# Altium PCB BK1096.PcbDoc (part 2 of 2) (continued)
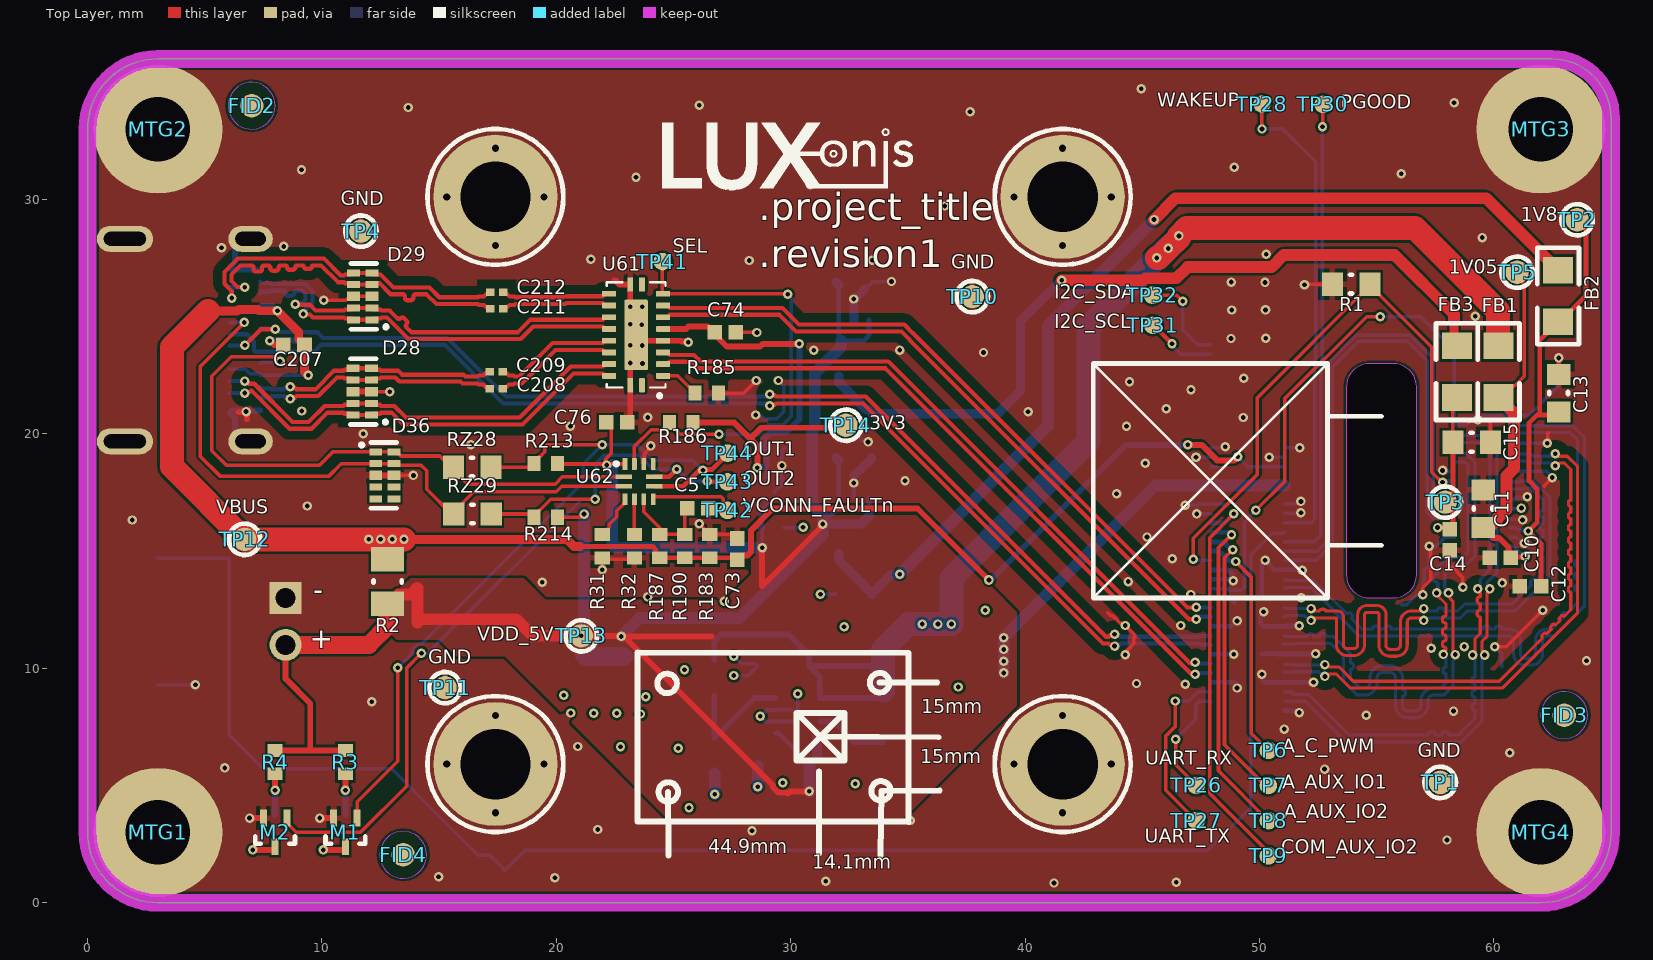
[diagram p0: Top Layer view]
## Nets (pads, with @x,y where several pads share a name; then routed paths per layer and width w, separated by ;. In a path a pad name is that pad's centre, name@x,y a point inside that pad or via, vN(x,y) a via of type N, cw(c..) or ccw(c..) an arc to the next point about the centre after c; other vN are vias at no path point) (continued)
MIPI_RX5_D1_N: J1.27 J2.2 | length 26.7
  Bottom Layer w0.131: J1.27@51.065,13.4 51.11,13.445 51.444,13.445 51.451,13.452 52.179,13.452 54.258,11.373 60.662,11.373 cw(c60.662,11.194) 60.841,11.194 60.841,10.608 ccw(c61.317,10.608) 61.317,10.133 61.597,10.133 ccw(c61.597,10.608) 62.072,10.608 62.072,11.194 cw(c62.251,11.194) 62.251,11.373 62.573,11.373 63.869,12.669 63.869,19.85 63.371,20.348 61.395,20.348 61.388,20.355 60.954,20.355
  Bottom Layer w0.152: J2.2@60.7,20.4 60.734,20.366 60.943,20.366 60.954,20.355
MIPI_RX5_D1_P: J1.29 J2.3 | length 27
  Bottom Layer w0.131: J1.29@51.065,13.8 51.11,13.755 51.444,13.755 51.451,13.748 52.302,13.748 53.536,12.514 53.548,12.502 53.708,12.342 ccw(c53.733,12.367) 53.758,12.342 cw(c53.823,12.277) 53.888,12.342 53.943,12.286 cw(c53.878,12.222) 53.943,12.157 ccw(c53.968,12.132) 53.943,12.107 54.103,11.947 54.288,11.762 54.381,11.669 54.567,11.669 54.794,11.669 ccw(c54.794,11.705) 54.829,11.705 cw(c54.921,11.705) 54.921,11.796 54.999,11.796 cw(c54.999,11.705) 55.091,11.705 ccw(c55.126,11.705) 55.126,11.669 55.317,11.669 ccw(c55.317,11.705) 55.352,11.705 cw(c55.444,11.705) 55.444,11.796 55.522,11.796 cw(c55.522,11.705) 55.614,11.705 ccw(c55.649,11.705) 55.649,11.669 55.875,11.669 56.006,11.669 59.415,11.669 59.51,11.669 ccw(c59.51,11.705) 59.546,11.705 cw(c59.637,11.705) 59.637,11.796 59.716,11.796 cw(c59.716,11.705) 59.807,11.705 ccw(c59.843,11.705) 59.843,11.669 60.034,11.669 ccw(c60.034,11.705) 60.069,11.705 cw(c60.161,11.705) 60.161,11.796 60.239,11.796 cw(c60.239,11.705) 60.331,11.705 ccw(c60.366,11.705) 60.366,11.669 60.592,11.669 60.662,11.669 cw(c60.662,11.194) 61.137,11.194 61.137,10.608 ccw(c61.317,10.608) 61.317,10.429 61.597,10.429 ccw(c61.597,10.608) 61.776,10.608 61.776,11.194 cw(c62.251,11.194) 62.251,11.669 62.444,11.669 62.811,12.037 62.9,12.126 ccw(c62.875,12.151) 62.9,12.176 cw(c62.965,12.241) 62.9,12.306 62.956,12.361 cw(c63.021,12.296) 63.085,12.361 ccw(c63.111,12.386) 63.136,12.361 63.296,12.521 63.481,12.706 63.573,12.799 63.573,13.042 63.573,13.268 ccw(c63.538,13.268) 63.538,13.303 cw(c63.538,13.395) 63.446,13.395 63.446,13.473 cw(c63.538,13.473) 63.538,13.565 ccw(c63.538,13.6) 63.573,13.6 63.573,13.791 ccw(c63.538,13.791) 63.538,13.827 cw(c63.538,13.918) 63.446,13.918 63.446,13.997 cw(c63.538,13.997) 63.538,14.088 ccw(c63.538,14.124) 63.573,14.124 63.573,14.314 ccw(c63.538,14.314) 63.538,14.35 cw(c63.538,14.441) 63.446,14.441 63.446,14.52 cw(c63.538,14.52) 63.538,14.611 ccw(c63.538,14.647) 63.573,14.647 63.573,14.873 63.573,15.004 63.573,19.727 63.248,20.052 61.395,20.052 61.388,20.045 60.954,20.045
  Bottom Layer w0.152: J2.3@60.7,20 60.734,20.034 60.943,20.034 60.954,20.045
NetC7_1: C7.1 FB2.1 U3.5 | length 42.4
  Top Layer w0.5: v1(45.499,29.142) 46.406,30.048 59.672,30.048 62.353,27.368 62.353,27.304 62.674,26.983 FB2.1@62.738,26.983
  Bottom Layer w0.4: U3.5@32.041,14.882 32.041,14.632 33.043,13.63 33.043,13.596 C7.1@33.453,13.186 ; C7.1@33.453,13.156 C7.1@33.453,13.186 ; v1(34.646,14.015) 34.627,13.996 34.263,13.996 C7.1@33.453,13.186
  Bottom Layer w0.5: v1(34.646,14.015) 40.97,20.339 40.97,24.613 v1(45.499,29.142)
NetC9_1: C9.1 FB3.1 U4.5 | length 33.8
  Top Layer w0.381: FB3.1@58.295,23.882 58.295,24.805
  Top Layer w0.4: FB3.1@58.295,23.882 FB3.1@58.42,23.757
  Top Layer w0.5: v1(41.557,26.559) 45.045,26.559 45.128,26.642 46.454,26.642 46.931,27.119 50.518,27.119 51.035,27.635 55.753,27.635 58.295,25.093 58.295,24.805
  Bottom Layer w0.4: U4.5@32.041,22.462 32.041,22.212 33.211,21.042 C9.1@33.303,21.042 ; C9.1@33.453,20.862 38.82,20.862 39.802,21.844 39.802,24.804 v1(41.557,26.559)
NetD1_1: D1.1 M1.3 | length 2
  Top Layer w0.25: v1(10.05,2.25) 10.975,2.25 11,2.275 M1.3@11,2.39
  Bottom Layer w0.25: v1(10.05,2.25) D1.1@11,2.25
NetD1_2: D1.2 R3.1 | length 1.8
  Top Layer w0.254: v1(11,4.8) R3.1@11,5.5
  Bottom Layer w0.254: D1.2@11,3.75 v1(11,4.8)
NetD2_1: D2.1 M2.3 | length 2
  Top Layer w0.25: v1(7.05,2.25) 7.975,2.25 8,2.275 M2.3@8,2.39
  Bottom Layer w0.25: v1(7.05,2.25) D2.1@8,2.25
NetD2_2: D2.2 R4.1 | length 1.8
  Top Layer w0.254: v1(8,4.8) R4.1@8,5.5
  Bottom Layer w0.254: D2.2@8,3.75 v1(8,4.8)
NetL1_2: L1.2 U5.7 | length 3
  Bottom Layer w0.25: U5.7@31.256,7.73 31.849,7.73 32.734,6.845 L1.2@33.934,6.845
NetR5_1: R5.1 R6.1 U5.4 | length 5.1
  Bottom Layer w0.25: R5.1@26.739,8.828 R6.1@26.739,7.049 26.769,7.049 28.449,8.73 U5.4@29.356,8.73
NetR185_1: R185.1 U61.2 | length 1.6
  Top Layer w0.152: U61.2@24.555,22.476 25.18,22.476 25.863,21.793 R185.1@25.863,21.743
NetR186_1: R186.1 TP41.1 U61.9 U62.11 | length 20.5
  Top Layer w0.15: U62.11@23.33,18.716 23.33,19.46 24.051,20.181 24.525,20.181 R186.1@24.775,20.431 ; R186.1@24.825,20.481 24.825,20.431 25.278,19.978 25.447,19.978
  Top Layer w0.152: TP41.1@24.52,27.351 24.52,26.011 U61.9@24.555,25.976 29.853,25.976 v3(29.875,25.954) ; R186.1@24.775,20.431 R186.1@24.895,20.311 ; 25.447,19.978 26.937,19.978 v3(26.94,19.982)
  Bottom Layer w0.152: v3(26.94,19.982) 28.628,19.982 29.027,20.381 29.656,20.381 30.025,20.75 30.025,23.652 29.991,23.686 29.991,23.999 30.025,24.033 30.025,25.804 v3(29.875,25.954)
NetTP42_1: TP42.1 U62.6 | length 3.7
  Top Layer w0.15: U62.6@24.13,17.216 24.13,17.299 24.155,17.324 27.026,17.324 27.114,17.236 27.114,17.084 27.3,16.899 TP42.1@27.3,16.736
OUT1: M1.1 R213.1 RZ28.2 TP44.1 U62.7 | length 34
  Top Layer w0.152: M1.1@11.5,3.61 11.503,3.613 11.503,4.303 13.233,6.033 v1(13.233,10.021) v1@13.233,10.172 ; RZ28.2@17.303,18.582 18.853,18.582 19.003,18.732 19.003,18.782 19.252,19.03 19.302,19.03 19.504,19.232 19.504,19.446 19.593,19.535 v1(21.955,19.535)
  Top Layer w0.2: U62.7@24.18,17.766 25.414,17.766 v1@26.139,18.491 ; v1(26.253,18.444) 26.292,18.483 26.646,18.483 TP44.1@27.343,19.181
  Bottom Layer w0.152: v1(13.233,10.021) 13.862,10.65 13.862,10.801 14.085,11.024 14.236,11.024 21.15,17.938 21.15,18.73 v1(21.955,19.535) 23.437,19.535 24.1,18.872 25.825,18.872 26.17,18.527 26.17,18.522 v1@26.139,18.491
OUT2: M2.1 R214.1 RZ29.2 TP43.1 U62.8 | length 36
  Top Layer w0.152: M2.1@8.5,3.61 8.5,3.405 8.905,3 11.646,3 13.614,4.968 13.614,10.014 v1(14.243,10.643) ; RZ29.2@17.323,16.582 18.857,16.582 18.994,16.445 18.994,16.495 19.243,16.744 19.293,16.744 19.765,17.216 v1(21.65,17.216)
  Top Layer w0.2: U62.8@24.18,18.166 24.813,18.166 v1(25.138,18.491) ; v3(26.441,17.975) 26.453,17.963 27.302,17.963 TP43.1@27.309,17.955
  Bottom Layer w0.152: v1(14.243,10.643) 14.504,10.643 21.077,17.216 v1(21.65,17.216) 21.65,18.709 22.038,19.097 23.516,19.097 24.122,18.491 v1(25.138,18.491)
  Bottom Layer w0.2: v1(25.138,18.491) 25.653,17.975 v3(26.441,17.975)
PGOOD: J1.37 TP30.1 | length 20.1
  Top Layer w0.15: v3(52.688,33.1) 52.696,33.108 52.696,34.053 TP30.1@52.705,34.061
  Bottom Layer w0.15: J1.37@51.054,15.4 J1.37@51.065,15.4 52.332,15.4 52.608,15.676 52.608,23.057 52.648,23.096 52.648,23.184 52.68,23.216 52.68,33.09 52.688,33.082 v3(52.688,33.1)
RXB_N: D28.2 D28.9 J14.B10 U61.18 | length 18.4
  Top Layer w0.178: v1(6.709,22.251) 6.771,22.251 6.883,22.139 7.111,22.139 8.74,20.51 9.432,20.51 10.119,21.197 10.92,21.197 10.963,21.24 11.265,21.24 D28.9@11.326,21.301 D28.2@12.106,21.301 12.167,21.24 12.47,21.24 12.513,21.197 13.084,21.197 13.584,20.697 18.438,20.697 20.613,22.872 21.976,22.872 22.08,22.976 U61.18@22.255,22.976
  Bottom Layer w0.178: J14.B10@6.064,22.251 v1(6.709,22.251)
RXB_P: D28.1 D28.10 J14.B11 U61.19 | length 18.4
  Top Layer w0.178: v1(6.703,21.743) 6.747,21.787 6.909,21.787 6.97,21.847 6.99,21.847 8.619,20.219 9.553,20.219 10.239,20.905 10.92,20.905 10.963,20.862 11.265,20.862 D28.10@11.326,20.801 D28.1@12.106,20.801 12.167,20.862 12.47,20.862 12.513,20.905 12.963,20.905 13.463,20.406 18.559,20.406 20.734,22.58 21.976,22.58 22.08,22.476 U61.19@22.255,22.476
  Bottom Layer w0.178: J14.B11@6.064,21.751 6.068,21.747 6.699,21.747 v1(6.703,21.743)
RXC_N: D29.2 D29.9 J14.A10 U61.14 | length 17.5
  Top Layer w0.178: v1(8.858,25.528) 8.876,25.509 9.485,25.509 9.731,25.264 10.945,25.264 10.988,25.307 11.291,25.307 D29.9@11.352,25.368 D29.2@12.132,25.368 12.193,25.307 12.495,25.307 12.538,25.264 12.889,25.264 13.16,24.993 13.218,24.936 ccw(c13.286,25.004) 13.354,24.936 cw(c13.43,24.86) 13.505,24.936 13.606,24.835 cw(c13.53,24.76) 13.606,24.684 ccw(c13.674,24.616) 13.606,24.548 13.789,24.364 13.814,24.34 14.146,24.34 18.36,24.34 18.892,24.872 21.976,24.872 22.08,24.976 U61.14@22.255,24.976
  Bottom Layer w0.178: J14.A10@7.364,26 7.425,26.062 7.802,26.062 7.845,26.106 7.924,26.106 8.101,26.106 8.35,26.106 cw(c8.35,25.999) 8.457,25.999 ccw(c8.564,25.999) 8.564,25.892 8.706,25.892 ccw(c8.706,25.999) 8.813,25.999 cw(c8.919,25.999) 8.919,26.106 9.166,26.106 9.303,25.968 9.303,25.726 9.149,25.572 8.901,25.572 v1(8.858,25.528)
RXC_P: D29.1 D29.10 J14.A11 U61.15 | length 17.3
  Top Layer w0.178: v1(9.2,25.116) 9.221,25.095 9.487,25.095 9.61,24.972 10.945,24.972 10.988,24.929 11.291,24.929 D29.10@11.352,24.868 D29.1@12.132,24.868 ; D29.1@12.193,24.929 12.495,24.929 12.538,24.972 12.769,24.972 13.693,24.048 18.481,24.048 19.013,24.58 21.976,24.58 22.08,24.476 U61.15@22.255,24.476
  Bottom Layer w0.178: J14.A11@7.364,26.501 7.425,26.44 7.802,26.44 7.845,26.397 9.286,26.397 9.594,26.089 9.594,25.605 9.328,25.338 9.328,25.305 9.2,25.178 v1(9.2,25.116)
SYS_RST: B1.1 J1.39 TP29.1 | length 70.3
  Bottom Layer w0.15: B1.1@3,14.7 6.045,14.7 6.045,7.163 7.493,5.715 12.985,5.715 16.675,2.025 17.166,2.025 17.75,1.441 17.75,1.414 TP29.1@17.798,1.366 18.668,2.235 47.797,2.235 49.617,4.055 49.617,14.839 50.543,15.765 51.03,15.765 J1.39@51.065,15.8
TXB1_N: C209.1 U61.16 | length 5.2
  Top Layer w0.178: C209.1@17.809,22.656 17.981,22.485 18.178,22.485 18.221,22.442 18.404,22.442 19.834,23.872 21.976,23.872 22.08,23.976 U61.16@22.255,23.976
TXB1_P: C208.1 U61.17 | length 5.2
  Top Layer w0.178: C208.1@17.809,21.936 17.981,22.107 18.178,22.107 18.221,22.151 18.525,22.151 19.955,23.58 21.976,23.58 22.08,23.476 U61.17@22.255,23.476
TXB_N: C209.2 D28.5 D28.6 J14.A3 | length 10.4
  Top Layer w0.178: v1(8.645,22.01) 8.689,21.966 8.845,21.966 8.91,21.901 9.719,21.901 10.515,22.697 10.92,22.697 10.963,22.74 11.265,22.74 D28.6@11.326,22.801 D28.5@12.106,22.801 12.167,22.74 12.47,22.74 12.513,22.697 13.249,22.697 13.419,22.527 16.037,22.527 16.122,22.442 16.638,22.442 16.681,22.485 16.878,22.485 C209.2@17.049,22.656
  Bottom Layer w0.178: J14.A3@7.364,22 7.425,21.94 7.802,21.94 7.845,21.897 8.029,21.897 8.033,21.901 8.38,21.901 8.445,21.966 8.601,21.966 v1(8.645,22.01)
TXB_P: C208.2 D28.4 D28.7 J14.A2 | length 10.4
  Top Layer w0.178: v1(8.645,21.502) 8.689,21.545 8.845,21.545 8.91,21.61 9.84,21.61 10.635,22.405 10.92,22.405 10.963,22.362 11.265,22.362 D28.7@11.326,22.301 D28.4@12.106,22.301 12.167,22.362 12.47,22.362 12.513,22.405 13.128,22.405 13.298,22.235 15.917,22.235 16.002,22.151 16.638,22.151 16.681,22.107 16.878,22.107 C208.2@17.049,21.936
  Bottom Layer w0.178: J14.A2@7.364,21.5 7.425,21.562 7.802,21.562 7.845,21.606 8.15,21.606 8.154,21.61 8.38,21.61 8.445,21.545 8.601,21.545 v1(8.645,21.502)
TXC1_N: C212.1 U61.12 | length 4.6
  Top Layer w0.178: C212.1@17.838,26.033 18.009,25.862 18.226,25.862 18.259,25.829 20.261,25.829 20.304,25.872 21.976,25.872 22.08,25.976 U61.12@22.255,25.976
TXC1_P: C211.1 U61.13 | length 4.6
  Top Layer w0.178: C211.1@17.838,25.333 18.009,25.504 18.226,25.504 18.259,25.537 20.381,25.537 20.424,25.58 21.976,25.58 22.08,25.476 U61.13@22.255,25.476
TXC_N: C212.2 D29.5 D29.6 J14.B3 | length 13.6
  Top Layer w0.178: v1(6.15,25.795) 6.148,25.797 6.148,26.102 5.844,26.407 5.844,26.913 6.41,27.48 10.085,27.48 10.801,26.764 10.945,26.764 10.988,26.807 11.291,26.807 D29.6@11.352,26.868 D29.5@12.132,26.868 12.193,26.807 12.495,26.807 13.055,26.247 14.586,26.247 15.004,25.829 16.656,25.829 16.689,25.862 16.907,25.862 C212.2@17.078,26.033
TXC_P: C211.2 D29.4 D29.7 J14.B2 | length 14.8
  Top Layer w0.178: v1(6.709,26.259) 6.707,26.261 6.402,26.261 6.135,26.528 6.135,26.793 6.53,27.188 6.552,27.188 6.73,27.188 6.979,27.188 cw(c6.979,27.082) 7.086,27.082 7.086,27.03 ccw(c7.192,27.03) 7.192,26.924 7.334,26.924 ccw(c7.334,27.03) 7.441,27.03 7.441,27.082 cw(c7.548,27.082) 7.548,27.188 7.69,27.188 cw(c7.69,27.082) 7.797,27.082 7.797,27.07 ccw(c7.903,27.07) 7.903,26.964 8.046,26.964 ccw(c8.046,27.07) 8.152,27.07 8.152,27.082 cw(c8.259,27.082) 8.259,27.188 8.43,27.188 cw(c8.43,27.11) 8.508,27.11 ccw(c8.615,27.11) 8.615,27.003 8.757,27.003 ccw(c8.757,27.11) 8.864,27.11 cw(c8.942,27.11) 8.942,27.188 9.181,27.188 cw(c9.181,27.15) 9.219,27.15 ccw(c9.326,27.15) 9.326,27.043 9.468,27.043 ccw(c9.468,27.15) 9.575,27.15 cw(c9.613,27.15) 9.613,27.188 9.795,27.188 9.965,27.188 10.681,26.472 10.945,26.472 10.988,26.429 11.291,26.429 D29.7@11.352,26.368 D29.4@12.132,26.368 12.193,26.429 12.461,26.429 12.935,25.955 13.288,25.955 13.437,25.955 cw(c13.437,25.849) 13.543,25.849 13.543,25.808 ccw(c13.65,25.808) 13.65,25.701 13.792,25.701 ccw(c13.792,25.808) 13.899,25.808 13.899,25.849 cw(c14.006,25.849) 14.006,25.955 14.077,25.955 14.465,25.955 14.883,25.537 16.656,25.537 16.689,25.504 16.907,25.504 C211.2@17.078,25.333
  Bottom Layer w0.178: J14.B2@6.064,26.25 6.068,26.255 6.705,26.255 v1(6.709,26.259)
UART_RX: J1.4 TP26.1 | length 4.9
  Top Layer w0.15: v3(46.418,6.973) 46.418,5.882 TP26.1@47.3,5
  Bottom Layer w0.15: v3(46.418,6.973) 47.271,7.826 47.271,8.431 47.432,8.592 47.916,8.592 J1.4@47.924,8.6
UART_TX: J1.6 TP27.1 | length 7.5
  Top Layer w0.15: v3(46.406,8.605) 46.406,7.517 46,7.111 46,4.8 TP27.1@47.3,3.5
  Bottom Layer w0.15: v3(46.406,8.605) 46.98,8.605 47.376,9 J1.6@47.924,9
USB_CM: R31.1 U62.3 | length 1.9
  Top Layer w0.15: R31.1@21.955,15.761 22.005,15.761 22.255,16.011 22.255,16.139 22.58,16.464 22.58,16.716 22.93,17.066 U62.3@22.93,17.216
USB_D_N: D27.1 J1.18 J14.A7 J14.B7 | length 48.9
  Top Layer w0.178: v1(6.714,23.782) 7.398,24.466 v1(8.006,24.466) ; v3(29.105,21.698) 29.147,21.655 29.306,21.655 29.369,21.592 33.201,21.592 43.448,11.346 43.55,11.346 43.615,11.41 43.771,11.41 v1(43.815,11.454)
  Bottom Layer w0.178: J14.B7@6.064,23.75 6.079,23.767 6.698,23.767 v1(6.714,23.782) ; J14.A7@7.364,24.5 7.381,24.483 7.998,24.483 v1@8.006,24.476 ; v1(8.006,24.466) 8.068,24.466 8.182,24.351 D27.1@9.814,24.351 ; 9.397,24.331 D27.1@9.814,24.331 ; D27.1@9.83,24.331 D27.1@9.814,24.331 ; v3(29.105,21.698) 29,21.592 24.405,21.592 24.404,21.591 17.85,21.591 15.345,24.097 10.048,24.097 D27.1@9.814,24.331 ; v1(43.815,11.454) 43.859,11.41 44.015,11.41 44.08,11.346 47.418,11.346 47.452,11.379 47.914,11.379 J1.18@47.935,11.4
USB_D_P: D27.2 J1.16 J14.A6 J14.B6 | length 48
  Top Layer w0.178: v3(29.105,21.196) 29.147,21.238 29.306,21.238 29.369,21.301 33.08,21.301 43.327,11.054 43.55,11.054 43.615,10.99 43.771,10.99 v1(43.815,10.946)
  Bottom Layer w0.178: J14.B6@6.064,24.25 6.802,24.251 7.108,23.945 7.108,23.562 7.169,23.501 9.664,23.501 D27.2@9.814,23.651 9.968,23.805 11.951,23.805 15.224,23.805 17.73,21.3 24.525,21.3 24.526,21.301 29,21.301 v3(29.105,21.196) ; v1(43.815,10.946) 43.859,10.99 44.015,10.99 44.08,11.054 47.418,11.054 47.452,11.021 47.914,11.021 J1.16@47.935,11
USB_PORT: R32.1 U62.4 | length 1.5
  Top Layer w0.15: R32.1@23.33,15.761 U62.4@23.33,17.216
USB_RX_N: J1.12 U61.4 | length 28.9
  Top Layer w0.178: U61.4@24.555,23.476 24.73,23.476 24.834,23.372 25.879,23.372 26.162,23.089 34.163,23.089 47.045,10.206 47.05,10.21 47.206,10.21 v1(47.25,10.254)
  Bottom Layer w0.178: v1(47.25,10.254) 47.304,10.2 J1.12@47.935,10.2
USB_RX_P: J1.10 U61.3 | length 29
  Top Layer w0.178: U61.3@24.555,22.976 24.73,22.976 24.834,23.08 25.758,23.08 26.041,22.797 34.042,22.797 47.05,9.79 47.206,9.79 v1(47.25,9.746)
  Bottom Layer w0.178: v1(47.25,9.746) 47.304,9.8 J1.10@47.935,9.8
USB_TX_N: J1.24 U61.8 | length 28.7
  Top Layer w0.178: U61.8@24.555,25.476 24.73,25.476 24.834,25.372 29.643,25.372 30.351,24.663 34.841,24.663 35.214,24.291 35.227,24.291 46.918,12.6 v1(47.3,12.6)
  Bottom Layer w0.178: v1(47.3,12.6) J1.24@47.935,12.6
USB_TX_P: J1.22 U61.7 | length 28.9
  Top Layer w0.178: U61.7@24.555,24.976 24.73,24.976 24.834,25.08 29.522,25.08 30.231,24.372 34.72,24.372 35.093,23.999 35.093,23.986 46.986,12.092 v1(47.3,12.092)
  Bottom Layer w0.178: v1(47.3,12.092) 47.408,12.2 J1.22@47.935,12.2
V_DCDC: C17.1 FB1.1 L1.1 R5.2 U5.5 | length 57.2
  Top Layer w1.016: v1(45.618,27.508) 45.695,27.508 v1(46.101,27.915) 46.596,28.41 v1(46.558,28.448) 46.892,28.782 56.639,28.782 60.175,25.246 60.175,23.78 FB1.1@60.198,23.757
  Bottom Layer w0.25: R5.2@26.739,10.352 26.739,11.155 27.021,11.437 29.914,11.437 30.791,10.56 C17.1@30.791,10.091 ; L1.1@33.934,9.045 33.619,8.73 U5.5@31.256,8.73 31.238,8.73 31.238,9.645 C17.1@30.791,10.091 ; 33.934,10.182 33.842,10.091 C17.1@30.791,10.091
  Bottom Layer w1.016: L1.1@33.934,9.045 33.934,10.182 33.934,10.794 35.027,11.887 v1(35.608,11.887) v1(36.278,11.887) v1(36.855,11.887) 36.855,13.843 42.7,19.688 42.7,24.59 v1(45.618,27.508) 46.025,27.915 v1(46.101,27.915) 46.558,28.372 v1(46.558,28.448)
VBUS: C73.2 C207.2 J1.53 J14.A4 J14.A9 J14.B4 J14.B9 R2.2 R183.2 R187.2 R190.2 TP12.1 | length 75.2
  Top Layer w0.203: 21,15.2 24.103,15.2 24.239,15.064 24.239,14.885 R187.2@24.409,14.715 24.416,14.708 24.423,14.715 R190.2@25.476,14.715 R183.2@26.543,14.715 27.634,14.715 C73.2@27.711,14.638
  Top Layer w0.254: C73.2@27.711,14.638 27.894,14.821 28.163,14.821 28.311,14.969 28.311,15.888 29.239,16.816 35.406,16.816 v1(38.456,13.767) ; v1(46.939,19.533) 47.529,19.533 48.189,18.873 48.921,18.873 v3(49.073,19.025)
  Top Layer w0.381: 5.136,25.236 6.381,25.236 6.458,25.313 7.249,25.313 7.31,25.252 v1(8.102,25.252) 9.009,24.345 9.009,24.046 C207.2@9.255,23.8 9.255,22.657 v1(9.411,22.501) ; v3(13.5,15.5) 20.441,15.5 20.741,15.2 21,15.2
  Top Layer w1.016: 5.136,25.236 3.6,23.7 3.6,18.6 TP12.1@6.7,15.5 v3(12,15.5) v3(12.5,15.5) v3(13,15.5) v3(13.5,15.5) ; R2.2@12.8,14.65 12.975,14.65 12.992,14.667 v3@12.992,15.492
  Bottom Layer w0.15: v3(49.073,19.025) 49.497,18.6 J1.53@51.065,18.6
  Bottom Layer w0.152: J14.B9@6.064,22.75 6.748,22.751 6.924,22.575 7.29,22.575 J14.A4@7.364,22.5 v1(9.411,22.501) ; J14.B4@6.064,25.251 6.748,25.251 6.924,25.427 7.29,25.427 J14.A9@7.364,25.5 7.896,25.501 8.078,25.319 8.078,25.276 v1(8.102,25.252)
  Bottom Layer w0.254: v1(38.456,13.767) 38.525,13.767 38.637,13.879 38.649,13.879 44.302,19.533 v1(46.939,19.533)
VBUS_DET: C5.2 R187.1 R190.1 U62.5 | length 4.1
  Top Layer w0.15: U62.5@23.73,17.216 23.73,16.673 24.405,15.998 24.405,15.859 R187.1@24.549,15.715 ; R187.1@24.409,15.715 R187.1@24.549,15.715 ; C5.2@25.577,16.838 25.476,16.737 R190.1@25.476,15.715 R187.1@24.549,15.715
VDD_5V: C2.1 C3.1 C4.1 C6.1 C8.1 C16.1 C76.2 J1.47 J1.48 J1.49 J1.50 J1.51 J1.52 J1.54 J3.P2 R2.1 R3.2 R4.2 R213.2 R214.2 TP13.1 U1.3 U1.4 U3.1 U3.3 U4.1 U4.3 U5.1 U5.8 U62.12 | length 121.9
  Top Layer w0.152: R214.2@20.094,16.445 21.046,16.445 v1(21.183,16.582) ; R213.2@20.103,18.732 20.119,18.716 v1@22.102,18.716 ; C76.2@22.083,20.481 22.342,20.221 22.342,20.112 22.343,20.111 22.343,19.166 22.098,18.921 22.098,18.72 v1@22.102,18.716 ; U62.12@22.93,18.716 22.196,18.716 v1(22.149,18.669) v1@22.102,18.716
  Top Layer w0.25: v2(21.067,11.383) 22.74,11.383 v2(22.764,11.359) 26.625,11.359 ; v2@22.922,11.331 29.235,5.018 29.235,4.942 29.485,4.692 29.838,4.692 29.84,4.694 29.886,4.648 29.987,4.75 v1(30.785,4.75) ; v3(28.778,15.138) 28.778,13.513 31.313,16.048 31.313,16.094 31.373,16.154 v1(31.369,16.154)
  Top Layer w0.254: R4.2@8,6.5 9.5,6.5 ; J3.P2@8.45,11 8.45,9.55 9.5,8.5 9.5,6.5 ; R3.2@11,6.5 9.5,6.5
  Top Layer w0.5: R2.1@12.8,12.75 12.975,12.75 13.25,13.025 13.25,13.145 13.779,13.145 14.072,13.438 14.072,11.938 14.224,12.09 18.288,12.09 18.996,11.383 v2(21.067,11.383)
  Top Layer w0.762: J3.P2@8.45,11 12,11 12.8,11.8 R2.1@12.8,12.75
  Bottom Layer w0.15: U1.4@28.964,17.001 28.964,16.769 29.022,16.711 ; J1.54@47.924,18.6 J1.54@47.935,18.6 J1.54@48.189,18.6
  Bottom Layer w0.152: C2.1@28.625,15.989 28.778,16.142 28.778,16.031 C2.1@28.82,15.989 28.778,15.989 v3(28.778,15.138) ; C2.1@28.694,16.115 28.694,16.839 28.802,16.839 U1.4@28.964,17.001 ; 29.022,16.711 29.456,16.711 29.624,16.878 U1.3@29.624,17.001
  Bottom Layer w0.2: U5.1@29.356,7.23 29.481,7.23 30.32,6.392 C16.1@30.32,6.313 ; v1(31.369,16.154) 31.369,16.192 32.041,16.865 U3.1@32.041,17.282 C6.1@32.041,18.864 ; C8.1@32.041,26.369 U4.1@32.041,24.862 32.041,24.095 32.159,23.978 33.107,23.978 33.341,24.212 U4.3@33.341,24.862 ; 33.341,16.501 U3.3@33.341,17.282
  Bottom Layer w0.4: C16.1@31.128,6.178 31.128,7.076 31.256,7.205 U5.8@31.256,7.23 ; v1(31.369,16.154) 32.995,16.154 33.341,16.501 ; C6.1@31.929,18.976 C6.1@32.041,18.864 ; C8.1@31.929,26.481 C8.1@32.041,26.369
  Bottom Layer w0.5: v2(21.067,11.383) 21.183,11.498 v1(21.183,16.582) ; 22.38,18.669 22.38,15.275 22.517,15.138 v3(28.778,15.138) ; v2(22.764,11.359) 23.546,12.141 27.813,12.141 31.391,15.72 31.369,15.742 v1(31.369,16.154) ; v1@31.369,16.192 31.369,16.491 31.391,16.513 30.912,16.993 30.912,20.146 31.026,20.26 31.026,22.593 32.159,23.726 32.159,23.978 ; v1(39.091,9.803) v1(39.091,10.303) v1(39.091,10.803) v1(39.091,11.303) 39.091,11.328 45.562,17.8 J1.50@47.935,17.8 J1.49@51.065,17.8
  Bottom Layer w0.508: v1@30.791,4.75 C16.1@30.791,5.841
  Bottom Layer w0.8: C3.1@21.2,10.575 C3.1@21.25,10.525 21.268,10.508 22.846,10.508 C4.1@22.863,10.491
WAKEUP: J1.41 TP28.1 | length 20.6
  Top Layer w0.15: v3(50.103,33.01) TP28.1@50.103,34.073
  Bottom Layer w0.15: v3(50.103,33.01) 50.988,33.01 52.393,31.605 52.393,23.197 52.357,23.161 52.357,16.363 52.193,16.2 J1.41@51.065,16.2 J1.41@51.054,16.2
pads on no net: D36.4 D36.5 D36.6 D36.7 FID1.1 FID2.1 FID3.1 FID4.1 FID5.1 FID6.1 J1.59 J1.60 J1.61 J1.62 J1.63 J1.64 J1.65 J1.66 J1.67 J1.68 J1.73 J1.74 J1.83 J1.84 J1.85 J1.86 J1.89 J1.90 J1.91 J1.92 J1.95 J1.96 J1.97 J1.98 J2.16 J2.21 J2.22 J14.A8 J14.B8 U3.4 U4.4 U5.6 U61.1 U61.10 U62.9
copper on no net: | length 0.1
  Top Layer w0.15: 13.073,17.729 13.198,17.729

## Polygon pours and split planes (outlines as drawn)
GND on Bottom Layer "GND_L04_P097" (solid, remove dead copper, pour order 97): 0,3 ccw(c3,3) 3,0 62,0 ccw(c62,3) 65,3 65,33.46 ccw(c62.46,33.46) 62.46,36 3,36 ccw(c3,33) 0,33
VDD_5V on Bottom Layer "VDD_5V_L04_P095" (solid, remove dead copper, pour order 95): 51.44,18.31 51.44,17.29 47.313,17.29 39.497,9.474 38.633,9.474 38.303,9.804 38.303,12.471 44.542,18.71 50.29,18.71 50.69,18.31
VDD_5V on Bottom Layer "VDD_5V_L04_P096" (solid, remove dead copper, pour order 96): 22.074,19.248 20.572,17.746 20.572,9.776 25.448,9.776 31.106,15.434 28.194,15.434 24.38,19.248
VDD_5V on Bottom Layer "VDD_5V_L04_P093" (solid, pour order 93): 20.561,11.783 23.353,11.783 24.107,11.029 24.107,9.886 20.572,9.886 20.561,9.875
NetL1_2 on Bottom Layer "NETL1_2_L04_P092" (solid, pour order 92): 31.256,7.855 33.85,7.862 34.393,7.319 34.393,6.845 32.266,6.845 31.506,7.605
V_DCDC on Bottom Layer "V_DCDC_L04_P094" (solid, pour order 94): 30.981,10.726 34.475,10.703 35.634,9.545 35.634,8.545 31.066,8.545 30.981,8.63
GND on Top Layer "GND_L01_P089" (solid, remove dead copper, pour order 89): 0,3 ccw(c3,3) 3,0 62,0 ccw(c62,3) 65,3 65,33.46 ccw(c62.46,33.46) 62.46,36 3,36 ccw(c3,33) 0,33
VDD_5V on Top Layer "VDD_5V_L01_P088" (solid, remove dead copper, pour order 88): 13.143,13.275 12.983,11.426 13.183,11.227 15.011,11.227 15.723,10.516 17.805,10.516 24.857,3.464 34.706,3.464 39.649,8.407 39.649,12.395 35.512,16.533 28.311,16.533 28.311,14.011 27.229,12.929 19.533,12.929 18.618,13.843 13.783,13.843
GND on Midlayer 2 "GND_L03_P091" (solid, remove dead copper, pour order 91): 0,3 ccw(c3,3) 3,0 62,0 ccw(c62,3) 65,3 65,33.46 ccw(c62.46,33.46) 62.46,36 3,36 ccw(c3,33) 0,33
GND on Midlayer 1 "GND_L02_P090" (solid, remove dead copper, pour order 90): 0,3 ccw(c3,3) 3,0 62,0 ccw(c62,3) 65,3 65,33.46 ccw(c62.46,33.46) 62.46,36 3,36 ccw(c3,33) 0,33

## Keep-outs
KeepOutLayer:
  the board outline again, w0.762

## Silkscreen, mask and mechanical layers (free items; w line width, h text height)
Top Overlay:
  drawing of 29 lines, arcs and shapes, not listed
  text "WAKEUP" at 45.644,33.757 h1
  text "PGOOD" at 53.467,33.68 h1
  text "GND" at 10.795,29.566 h1
  text "1V8" at 61.138,28.88 h1
  text "SEL" at 24.969,27.537 h1
  text "GND" at 36.85,26.85 h1
  text ".project_title / .revision1" at 28.625,26.725 h2
  text "1V05" at 58.064,26.645 h1
  text "I2C_SDA" at 41.25,25.578 h1
  text "I2C_SCL" at 41.25,24.308 h1
  text "3V3" at 33.338,19.981 h1
  text "OUT1" at 27.978,18.865 h1
  text "OUT2" at 27.944,17.625 h1
  text "VCONN_FAULTn" at 27.944,16.468 h1
  text "VBUS" at 5.5,16.4 h1
  text "-" at 9.627,12.624 h1.5
  text "VDD_5V" at 16.625,10.975 h1
  text "+" at 9.474,10.566 h1.5
  text "GND" at 14.525,10 h1
  text "15mm" at 35.575,7.9 h1
  text "A_C_PWM" at 50.978,6.198 h1
  text "GND" at 56.744,6.02 h1
  text "15mm" at 35.525,5.75 h1
  text "UART_RX" at 45.125,5.7 h1
  text "A_AUX_IO1" at 50.978,4.674 h1
  text "A_AUX_IO2" at 51.029,3.404 h1
  text "UART_TX" at 45.1,2.375 h1
  text "44.9mm" at 26.475,1.925 h1
  text "COM_AUX_IO2" at 50.919,1.897 h1
  text "14.1mm" at 30.925,1.25 h1
Bottom Overlay:
  drawing of 11 lines, arcs and shapes, not listed
  text ".project_title / .revision1" at 64.329,23.376 h2
  text "5V UFP USB 3.1" at 10.897,17.577 h1.5
  text "-" at 5.944,13.691 h1.5
  text "+" at 6.045,9.271 h1.5
  text "5V FAN" at 11.303,7.442 h1.5
  text "RESET" at 5.283,6.706 h1.5
  text "OUT2" at 9.5,5 h1
  text "OUT1" at 12.5,5 h1
  text "RST" at 17.1,1 h1
Board:
  the board outline again, w0.1

## Dimensions
0,0 to 65,3 on Dimensions
3,36 to 0,0 on Dimensions